# EAGLE board Mk4 Final a Panel score 2x5 (EAGLE 9.0.1), part 11 of 29
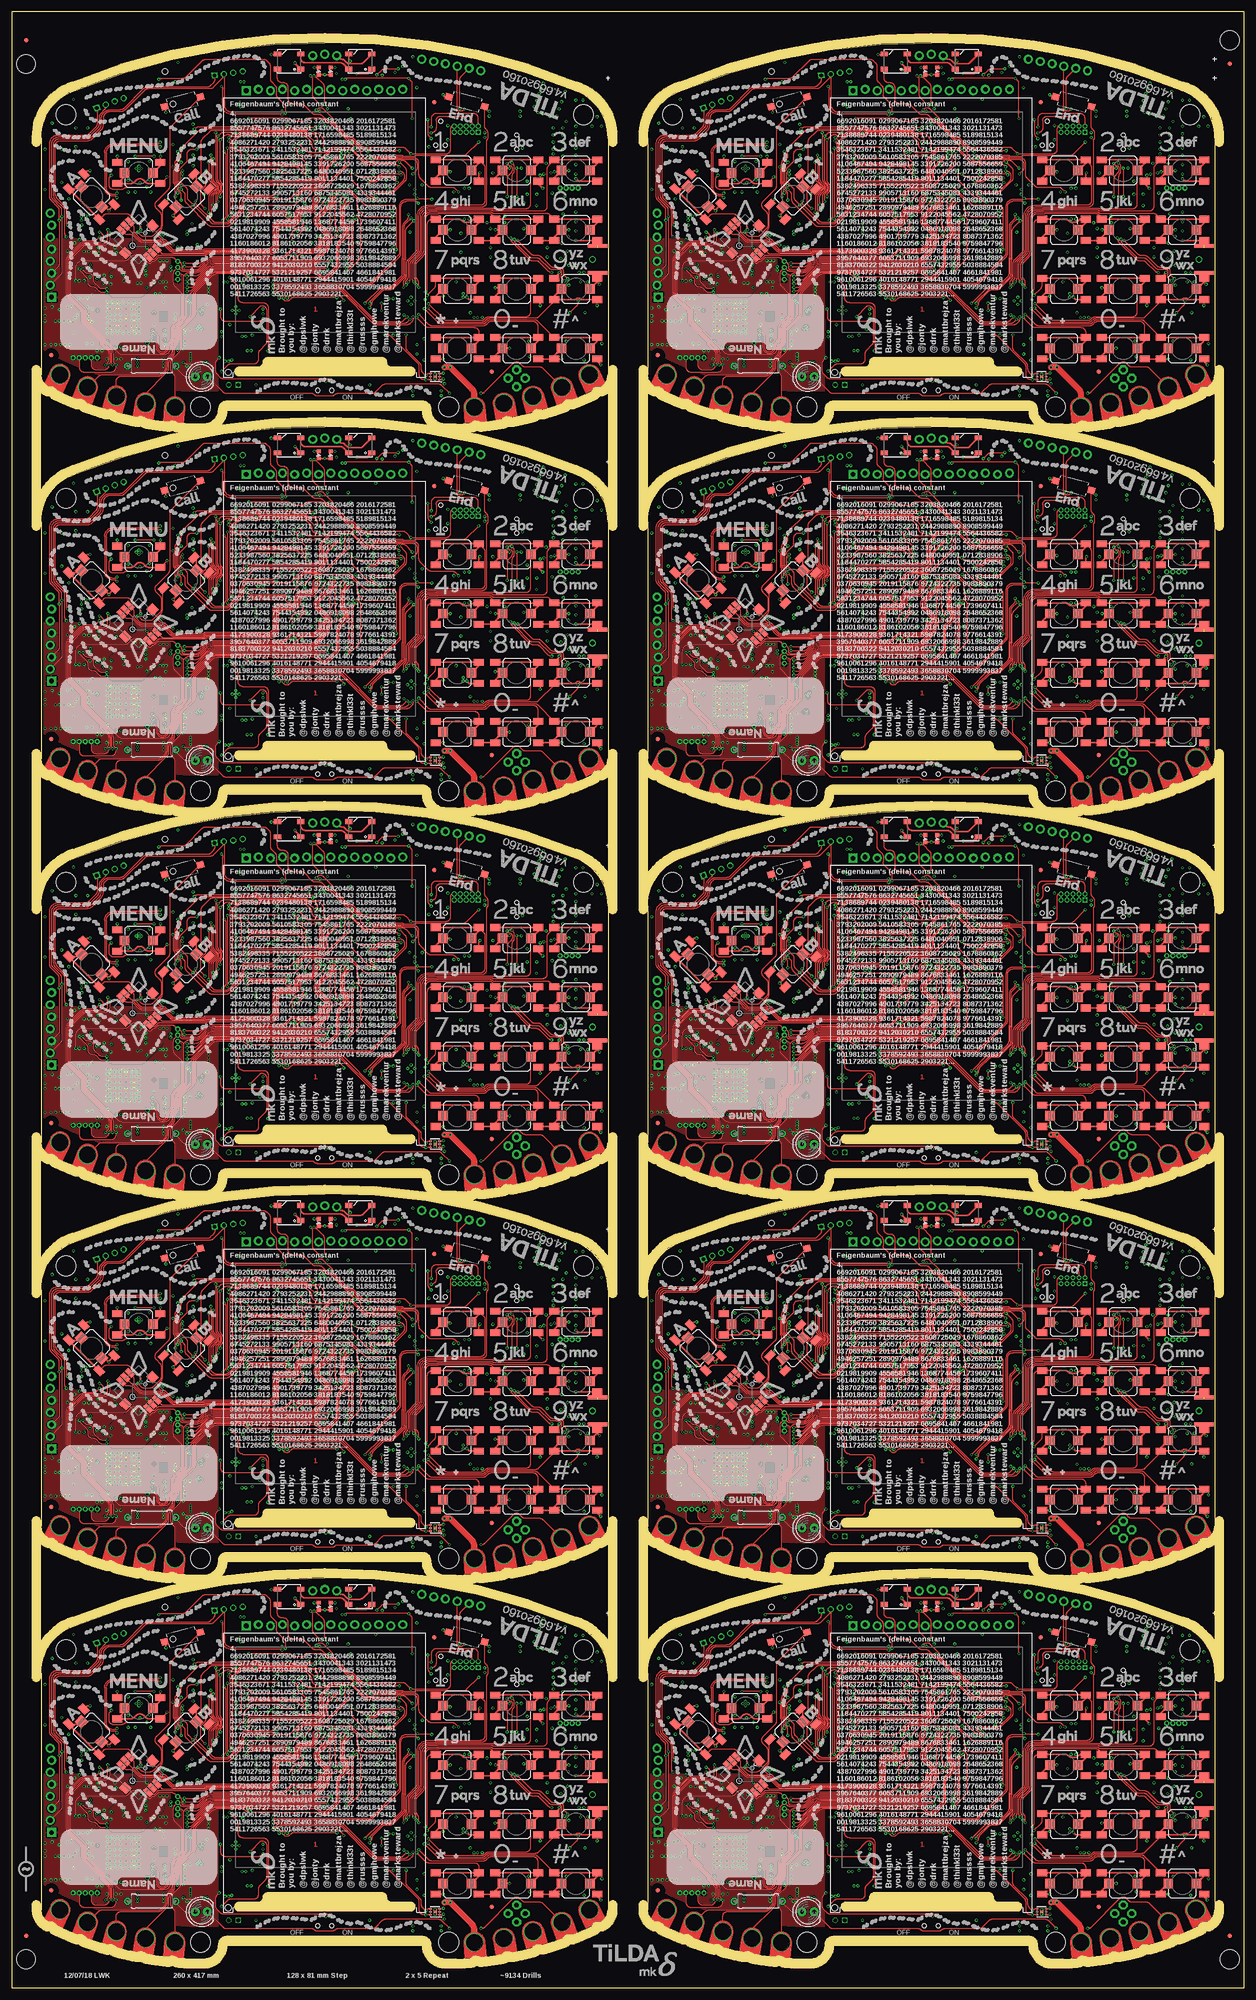
[diagram p0: board, top side]
## Tracks (layer width: path | path; a pad name or v marks a point on that pad's centre or on a via) (continued)
BTN_CALL2  (via drill 0.3) (continued)
  Bottom 0.15: IC49.15 84.5,109.75 v84.65,109.6 | v55.8,114.4 55.38,113.98 arc-90 54.32,113.98 51.72,116.58 arc45 51.01,116.88 50.17,116.88 arc-45 49.11,117.31 45.52,120.91 arc45 44.81,121.2 37.62,121.2 arc-45 37.48,121.26 37.28,121.47 arc45 37.14,121.53 36.7,121.53 arc-45 35.64,121.96 33.89,123.71 arc45 33.19,124 30.92,124 arc-45 30.03,124.37 29.09,125.31 arc45 28.39,125.6 27.85,125.6 arc-90 26.6,126.85 v26.6,127.5
BTN_CALL3  (via drill 0.3)
  Top 0.15: v212.65,109.6 212.65,109.26 arc-45 212.36,108.56 211.99,108.19 arc-45 211.29,107.9 205.22,107.9 arc-45 204.16,108.34 197.59,114.91 arc45 196.89,115.2 185.01,115.2 arc45 184.31,114.91 v183.8,114.4 | S79.2 161.86,150.1 arc45 161.28,148.69 161.28,137.19 arc-45 160.98,136.48 158.46,133.96 arc90 158.46,132.54 159.21,131.79 arc-45 159.5,131.09 159.5,128.91 arc-45 159.21,128.21 157.79,126.79 arc-45 157.08,126.49 156.02,126.49 arc-45 155.31,126.79 v154.6,127.5
  Bottom 0.15: IC67.15 212.5,109.75 v212.65,109.6 | v183.8,114.4 183.38,113.98 arc-90 182.32,113.98 179.72,116.58 arc45 179.01,116.88 178.17,116.88 arc-45 177.11,117.31 173.52,120.91 arc45 172.81,121.2 165.62,121.2 arc-45 165.48,121.26 165.28,121.47 arc45 165.13,121.53 164.7,121.53 arc-45 163.64,121.96 161.89,123.71 arc45 161.19,124 158.92,124 arc-45 158.03,124.37 157.09,125.31 arc45 156.39,125.6 155.85,125.6 arc-90 154.6,126.85 v154.6,127.5
BTN_CALL4  (via drill 0.3)
  Top 0.15: v84.65,190.6 84.65,190.26 arc-45 84.36,189.56 83.99,189.19 arc-45 83.29,188.9 77.22,188.9 arc-45 76.16,189.34 69.59,195.91 arc45 68.89,196.2 57.01,196.2 arc45 56.31,195.91 v55.8,195.4 | S100.2 33.86,231.1 arc45 33.27,229.69 33.27,218.19 arc-45 32.98,217.48 30.46,214.96 arc90 30.46,213.54 31.21,212.79 arc-45 31.5,212.09 31.5,209.91 arc-45 31.21,209.21 29.79,207.79 arc-45 29.08,207.49 28.02,207.49 arc-45 27.31,207.79 v26.6,208.5
  Bottom 0.15: IC85.15 84.5,190.75 v84.65,190.6 | v55.8,195.4 55.38,194.98 arc-90 54.32,194.98 51.72,197.58 arc45 51.01,197.88 50.17,197.88 arc-45 49.11,198.31 45.52,201.91 arc45 44.81,202.2 37.62,202.2 arc-45 37.48,202.26 37.28,202.47 arc45 37.14,202.53 36.7,202.53 arc-45 35.64,202.96 33.89,204.71 arc45 33.19,205 30.92,205 arc-45 30.03,205.37 29.09,206.31 arc45 28.39,206.6 27.85,206.6 arc-90 26.6,207.85 v26.6,208.5
BTN_CALL5  (via drill 0.3)
  Top 0.15: v212.65,190.6 212.65,190.26 arc-45 212.36,189.56 211.99,189.19 arc-45 211.29,188.9 205.22,188.9 arc-45 204.16,189.34 197.59,195.91 arc45 196.89,196.2 185.01,196.2 arc45 184.31,195.91 v183.8,195.4 | S121.2 161.86,231.1 arc45 161.28,229.69 161.28,218.19 arc-45 160.98,217.48 158.46,214.96 arc90 158.46,213.54 159.21,212.79 arc-45 159.5,212.09 159.5,209.91 arc-45 159.21,209.21 157.79,207.79 arc-45 157.08,207.49 156.02,207.49 arc-45 155.31,207.79 v154.6,208.5
  Bottom 0.15: IC103.15 212.5,190.75 v212.65,190.6 | v183.8,195.4 183.38,194.98 arc-90 182.32,194.98 179.72,197.58 arc45 179.01,197.88 178.17,197.88 arc-45 177.11,198.31 173.52,201.91 arc45 172.81,202.2 165.62,202.2 arc-45 165.48,202.26 165.28,202.47 arc45 165.13,202.53 164.7,202.53 arc-45 163.64,202.96 161.89,204.71 arc45 161.19,205 158.92,205 arc-45 158.03,205.37 157.09,206.31 arc45 156.39,206.6 155.85,206.6 arc-90 154.6,207.85 v154.6,208.5
BTN_CALL6  (via drill 0.3)
  Top 0.15: v84.65,271.6 84.65,271.26 arc-45 84.36,270.56 83.99,270.19 arc-45 83.29,269.9 77.22,269.9 arc-45 76.16,270.34 69.59,276.91 arc45 68.89,277.2 57.01,277.2 arc45 56.31,276.91 v55.8,276.4 | S142.2 33.86,312.1 arc45 33.27,310.69 33.27,299.19 arc-45 32.98,298.48 30.46,295.96 arc90 30.46,294.54 31.21,293.79 arc-45 31.5,293.09 31.5,290.91 arc-45 31.21,290.21 29.79,288.79 arc-45 29.08,288.49 28.02,288.49 arc-45 27.31,288.79 v26.6,289.5
  Bottom 0.15: IC121.15 84.5,271.75 v84.65,271.6 | v55.8,276.4 55.38,275.98 arc-90 54.32,275.98 51.72,278.58 arc45 51.01,278.88 50.17,278.88 arc-45 49.11,279.31 45.52,282.91 arc45 44.81,283.2 37.62,283.2 arc-45 37.48,283.26 37.28,283.47 arc45 37.14,283.52 36.7,283.52 arc-45 35.64,283.96 33.89,285.71 arc45 33.19,286 30.92,286 arc-45 30.03,286.37 29.09,287.31 arc45 28.39,287.6 27.85,287.6 arc-90 26.6,288.85 v26.6,289.5
BTN_CALL7  (via drill 0.3)
  Top 0.15: v212.65,271.6 212.65,271.26 arc-45 212.36,270.56 211.99,270.19 arc-45 211.29,269.9 205.22,269.9 arc-45 204.16,270.34 197.59,276.91 arc45 196.89,277.2 185.01,277.2 arc45 184.31,276.91 v183.8,276.4 | S163.2 161.86,312.1 arc45 161.28,310.69 161.28,299.19 arc-45 160.98,298.48 158.46,295.96 arc90 158.46,294.54 159.21,293.79 arc-45 159.5,293.09 159.5,290.91 arc-45 159.21,290.21 157.79,288.79 arc-45 157.08,288.49 156.02,288.49 arc-45 155.31,288.79 v154.6,289.5
  Bottom 0.15: IC139.15 212.5,271.75 v212.65,271.6 | v183.8,276.4 183.38,275.98 arc-90 182.32,275.98 179.72,278.58 arc45 179.01,278.88 178.17,278.88 arc-45 177.11,279.31 173.52,282.91 arc45 172.81,283.2 165.62,283.2 arc-45 165.48,283.26 165.28,283.47 arc45 165.13,283.52 164.7,283.52 arc-45 163.64,283.96 161.89,285.71 arc45 161.19,286 158.92,286 arc-45 158.03,286.37 157.09,287.31 arc45 156.39,287.6 155.85,287.6 arc-90 154.6,288.85 v154.6,289.5
BTN_CALL8  (via drill 0.3)
  Top 0.15: v84.65,352.6 84.65,352.26 arc-45 84.36,351.56 83.99,351.19 arc-45 83.29,350.9 77.22,350.9 arc-45 76.16,351.34 69.59,357.91 arc45 68.89,358.2 57.01,358.2 arc45 56.31,357.91 v55.8,357.4 | S184.2 33.86,393.1 arc45 33.27,391.69 33.27,380.19 arc-45 32.98,379.48 30.46,376.96 arc90 30.46,375.54 31.21,374.79 arc-45 31.5,374.09 31.5,371.91 arc-45 31.21,371.21 29.79,369.79 arc-45 29.08,369.49 28.02,369.49 arc-45 27.31,369.79 v26.6,370.5
  Bottom 0.15: IC157.15 84.5,352.75 v84.65,352.6 | v55.8,357.4 55.38,356.98 arc-90 54.32,356.98 51.72,359.58 arc45 51.01,359.88 50.17,359.88 arc-45 49.11,360.31 45.52,363.91 arc45 44.81,364.2 37.62,364.2 arc-45 37.48,364.26 37.28,364.47 arc45 37.14,364.52 36.7,364.52 arc-45 35.64,364.96 33.89,366.71 arc45 33.19,367 30.92,367 arc-45 30.03,367.37 29.09,368.31 arc45 28.39,368.6 27.85,368.6 arc-90 26.6,369.85 v26.6,370.5
BTN_CALL9  (via drill 0.3)
  Top 0.15: v212.65,352.6 212.65,352.26 arc-45 212.36,351.56 211.99,351.19 arc-45 211.29,350.9 205.22,350.9 arc-45 204.16,351.34 197.59,357.91 arc45 196.89,358.2 185.01,358.2 arc45 184.31,357.91 v183.8,357.4 | S205.2 161.86,393.1 arc45 161.28,391.69 161.28,380.19 arc-45 160.98,379.48 158.46,376.96 arc90 158.46,375.54 159.21,374.79 arc-45 159.5,374.09 159.5,371.91 arc-45 159.21,371.21 157.79,369.79 arc-45 157.08,369.49 156.02,369.49 arc-45 155.31,369.79 v154.6,370.5
  Bottom 0.15: IC175.15 212.5,352.75 v212.65,352.6 | v183.8,357.4 183.38,356.98 arc-90 182.32,356.98 179.72,359.58 arc45 179.01,359.88 178.17,359.88 arc-45 177.11,360.31 173.52,363.91 arc45 172.81,364.2 165.62,364.2 arc-45 165.48,364.26 165.28,364.47 arc45 165.13,364.52 164.7,364.52 arc-45 163.64,364.96 161.89,366.71 arc45 161.19,367 158.92,367 arc-45 158.03,367.37 157.09,368.31 arc45 156.39,368.6 155.85,368.6 arc-90 154.6,369.85 v154.6,370.5
BTN_END  (via drill 0.3)
  Top 0.2: S17.2 99.77,68.9 arc45 100.06,68.19 100.21,68.04 arc-45 100.5,67.34 100.5,66.46 arc-45 100.35,66.1 arc45 100.25,65.85 100.25,52.9 arc-90 99.25,51.9 89.45,51.9 89.38,51.83 87.9,51.83 arc90 85.9,49.83 85.9,43.05 arc-45 85.53,42.16 83.99,40.62 arc45 83.7,39.92 83.7,37.19 arc-45 83.41,36.48 83.3,36.37 arc45 83.15,36.02 83.15,35.77 83.2,35.72 v83.2,35.4
  Bottom 0.15: IC4.2 83.5,34.69 arc45 v83.21,35.39 v83.2,35.4
BTN_END1  (via drill 0.3)
  Top 0.2: S38.2 227.77,68.9 arc45 228.06,68.19 228.21,68.04 arc-45 228.5,67.34 228.5,66.46 arc-45 228.35,66.1 arc45 228.25,65.85 228.25,52.9 arc-90 227.25,51.9 217.46,51.9 217.38,51.83 215.9,51.83 arc90 213.9,49.83 213.9,43.05 arc-45 213.53,42.16 211.99,40.62 arc45 211.7,39.92 211.7,37.19 arc-45 211.41,36.48 211.3,36.37 arc45 211.15,36.02 211.15,35.77 211.2,35.72 v211.2,35.4
  Bottom 0.15: IC31.2 211.5,34.69 arc45 v211.21,35.39 v211.2,35.4
BTN_END2  (via drill 0.3)
  Top 0.2: S59.2 99.77,149.9 arc45 100.06,149.19 100.21,149.04 arc-45 100.5,148.34 100.5,147.46 arc-45 100.35,147.1 arc45 100.25,146.85 100.25,133.9 arc-90 99.25,132.9 89.45,132.9 89.38,132.82 87.9,132.82 arc90 85.9,130.82 85.9,124.05 arc-45 85.53,123.16 83.99,121.62 arc45 83.7,120.92 83.7,118.19 arc-45 83.41,117.48 83.3,117.37 arc45 83.15,117.02 83.15,116.77 83.2,116.72 v83.2,116.4
  Bottom 0.15: IC49.2 83.5,115.69 arc45 v83.21,116.39 v83.2,116.4
BTN_END3  (via drill 0.3)
  Top 0.2: S80.2 227.77,149.9 arc45 228.06,149.19 228.21,149.04 arc-45 228.5,148.34 228.5,147.46 arc-45 228.35,147.1 arc45 228.25,146.85 228.25,133.9 arc-90 227.25,132.9 217.46,132.9 217.38,132.82 215.9,132.82 arc90 213.9,130.82 213.9,124.05 arc-45 213.53,123.16 211.99,121.62 arc45 211.7,120.92 211.7,118.19 arc-45 211.41,117.48 211.3,117.37 arc45 211.15,117.02 211.15,116.77 211.2,116.72 v211.2,116.4
  Bottom 0.15: IC67.2 211.5,115.69 arc45 v211.21,116.39 v211.2,116.4
BTN_END4  (via drill 0.3)
  Top 0.2: S101.2 99.77,230.9 arc45 100.06,230.19 100.21,230.04 arc-45 100.5,229.34 100.5,228.46 arc-45 100.35,228.1 arc45 100.25,227.85 100.25,214.9 arc-90 99.25,213.9 89.45,213.9 89.38,213.82 87.9,213.82 arc90 85.9,211.82 85.9,205.05 arc-45 85.53,204.16 83.99,202.62 arc45 83.7,201.92 83.7,199.19 arc-45 83.41,198.49 83.3,198.37 arc45 83.15,198.02 83.15,197.77 83.2,197.72 v83.2,197.4
  Bottom 0.15: IC85.2 83.5,196.69 arc45 v83.21,197.39 v83.2,197.4
BTN_END5  (via drill 0.3)
  Top 0.2: S122.2 227.77,230.9 arc45 228.06,230.19 228.21,230.04 arc-45 228.5,229.34 228.5,228.46 arc-45 228.35,228.1 arc45 228.25,227.85 228.25,214.9 arc-90 227.25,213.9 217.46,213.9 217.38,213.82 215.9,213.82 arc90 213.9,211.82 213.9,205.05 arc-45 213.53,204.16 211.99,202.62 arc45 211.7,201.92 211.7,199.19 arc-45 211.41,198.49 211.3,198.37 arc45 211.15,198.02 211.15,197.77 211.2,197.72 v211.2,197.4
  Bottom 0.15: IC103.2 211.5,196.69 arc45 v211.21,197.39 v211.2,197.4
BTN_END6  (via drill 0.3)
  Top 0.2: S143.2 99.77,311.9 arc45 100.06,311.19 100.21,311.04 arc-45 100.5,310.34 100.5,309.46 arc-45 100.35,309.1 arc45 100.25,308.85 100.25,295.9 arc-90 99.25,294.9 89.45,294.9 89.38,294.82 87.9,294.82 arc90 85.9,292.82 85.9,286.05 arc-45 85.53,285.16 83.99,283.62 arc45 83.7,282.92 83.7,280.19 arc-45 83.41,279.49 83.3,279.37 arc45 83.15,279.02 83.15,278.77 83.2,278.72 v83.2,278.4
  Bottom 0.15: IC121.2 83.5,277.69 arc45 v83.21,278.39 v83.2,278.4
BTN_END7  (via drill 0.3)
  Top 0.2: S164.2 227.77,311.9 arc45 228.06,311.19 228.21,311.04 arc-45 228.5,310.34 228.5,309.46 arc-45 228.35,309.1 arc45 228.25,308.85 228.25,295.9 arc-90 227.25,294.9 217.46,294.9 217.38,294.82 215.9,294.82 arc90 213.9,292.82 213.9,286.05 arc-45 213.53,285.16 211.99,283.62 arc45 211.7,282.92 211.7,280.19 arc-45 211.41,279.49 211.3,279.37 arc45 211.15,279.02 211.15,278.77 211.2,278.72 v211.2,278.4
  Bottom 0.15: IC139.2 211.5,277.69 arc45 v211.21,278.39 v211.2,278.4
BTN_END8  (via drill 0.3)
  Top 0.2: S185.2 99.77,392.9 arc45 100.06,392.19 100.21,392.04 arc-45 100.5,391.34 100.5,390.46 arc-45 100.35,390.1 arc45 100.25,389.85 100.25,376.9 arc-90 99.25,375.9 89.45,375.9 89.38,375.82 87.9,375.82 arc90 85.9,373.82 85.9,367.05 arc-45 85.53,366.16 83.99,364.62 arc45 83.7,363.92 83.7,361.19 arc-45 83.41,360.49 83.3,360.37 arc45 83.15,360.02 83.15,359.77 83.2,359.72 v83.2,359.4
  Bottom 0.15: IC157.2 83.5,358.69 arc45 v83.21,359.39 v83.2,359.4
BTN_END9  (via drill 0.3)
  Top 0.2: S206.2 227.77,392.9 arc45 228.06,392.19 228.21,392.04 arc-45 228.5,391.34 228.5,390.46 arc-45 228.35,390.1 arc45 228.25,389.85 228.25,376.9 arc-90 227.25,375.9 217.46,375.9 217.38,375.82 215.9,375.82 arc90 213.9,373.82 213.9,367.05 arc-45 213.53,366.16 211.99,364.62 arc45 211.7,363.92 211.7,361.19 arc-45 211.41,360.49 211.3,360.37 arc45 211.15,360.02 211.15,359.77 211.2,359.72 v211.2,359.4
  Bottom 0.15: IC175.2 211.5,358.69 arc45 v211.21,359.39 v211.2,359.4
BTN_MENU  (via drill 0.3)
  Top 0.15: S14.B1 v32.75,58.15 | v50,70.5 58.23,70.5 arc-45 58.94,70.21 59.08,70.07 arc45 59.78,69.78 61.02,69.78 arc45 61.72,70.07 61.86,70.21 arc-45 62.57,70.5 65.23,70.5 arc-45 65.93,70.21 66.37,69.77 arc45 67.08,69.47 arc-45 67.33,69.37 71.02,65.68 arc-45 71.08,65.54 71.08,65.47 arc90 71.58,64.97 71.64,64.97 arc-45 71.78,64.92 v72.45,64.25
  Top 0.3: S14.2 23.8,58.3 S14.B2 25.09,56.75 arc45 25.79,57.04 26.21,57.46 arc-45 26.91,57.75 27.09,57.75 arc-45 27.79,57.46 28.21,57.04 arc45 28.91,56.75 S14.B1
  Bottom 0.15: v50,70.5 34.75,70.5 arc90 32.75,68.5 v32.75,58.15 | IC1.102 72.95,63.2 arc-90 72.45,63.7 v72.45,64.25
BTN_MENU1  (via drill 0.3)
  Top 0.15: S36.B1 v160.75,58.15 | v178,70.5 186.23,70.5 arc-45 186.94,70.21 187.08,70.07 arc45 187.78,69.78 189.02,69.78 arc45 189.72,70.07 189.86,70.21 arc-45 190.57,70.5 193.23,70.5 arc-45 193.93,70.21 194.37,69.77 arc45 195.08,69.47 arc-45 195.33,69.37 199.02,65.68 arc-45 199.07,65.54 199.07,65.47 arc90 199.57,64.97 199.64,64.97 arc-45 199.78,64.92 v200.45,64.25
  Top 0.3: S36.2 151.8,58.3 S36.B2 153.09,56.75 arc45 153.79,57.04 154.21,57.46 arc-45 154.91,57.75 155.09,57.75 arc-45 155.79,57.46 156.21,57.04 arc45 156.91,56.75 S36.B1
  Bottom 0.15: v178,70.5 162.75,70.5 arc90 160.75,68.5 v160.75,58.15 | IC20.102 200.95,63.2 arc-90 200.45,63.7 v200.45,64.25
BTN_MENU2  (via drill 0.3)
  Top 0.15: S57.B1 v32.75,139.15 | v50,151.5 58.23,151.5 arc-45 58.94,151.21 59.08,151.07 arc45 59.78,150.78 61.02,150.78 arc45 61.72,151.07 61.86,151.21 arc-45 62.57,151.5 65.23,151.5 arc-45 65.93,151.21 66.37,150.77 arc45 67.08,150.47 arc-45 67.33,150.37 71.02,146.68 arc-45 71.08,146.54 71.08,146.47 arc90 71.58,145.97 71.64,145.97 arc-45 71.78,145.92 v72.45,145.25
  Top 0.3: S57.2 23.8,139.3 S57.B2 25.09,137.75 arc45 25.79,138.04 26.21,138.46 arc-45 26.91,138.75 27.09,138.75 arc-45 27.79,138.46 28.21,138.04 arc45 28.91,137.75 S57.B1
  Bottom 0.15: v50,151.5 34.75,151.5 arc90 32.75,149.5 v32.75,139.15 | IC38.102 72.95,144.2 arc-90 72.45,144.7 v72.45,145.25
BTN_MENU3  (via drill 0.3)
  Top 0.15: S78.B1 v160.75,139.15 | v178,151.5 186.23,151.5 arc-45 186.94,151.21 187.08,151.07 arc45 187.78,150.78 189.02,150.78 arc45 189.72,151.07 189.86,151.21 arc-45 190.57,151.5 193.23,151.5 arc-45 193.93,151.21 194.37,150.77 arc45 195.08,150.47 arc-45 195.33,150.37 199.02,146.68 arc-45 199.07,146.54 199.07,146.47 arc90 199.57,145.97 199.64,145.97 arc-45 199.78,145.92 v200.45,145.25
  Top 0.3: S78.2 151.8,139.3 S78.B2 153.09,137.75 arc45 153.79,138.04 154.21,138.46 arc-45 154.91,138.75 155.09,138.75 arc-45 155.79,138.46 156.21,138.04 arc45 156.91,137.75 S78.B1
  Bottom 0.15: v178,151.5 162.75,151.5 arc90 160.75,149.5 v160.75,139.15 | IC56.102 200.95,144.2 arc-90 200.45,144.7 v200.45,145.25
BTN_MENU4  (via drill 0.3)
  Top 0.15: S99.B1 v32.75,220.15 | v50,232.5 58.23,232.5 arc-45 58.94,232.21 59.08,232.07 arc45 59.78,231.78 61.02,231.78 arc45 61.72,232.07 61.86,232.21 arc-45 62.57,232.5 65.23,232.5 arc-45 65.93,232.21 66.37,231.77 arc45 67.08,231.47 arc-45 67.33,231.37 71.02,227.68 arc-45 71.08,227.54 71.08,227.47 arc90 71.58,226.97 71.64,226.97 arc-45 71.78,226.92 v72.45,226.25
  Top 0.3: S99.2 23.8,220.3 S99.B2 25.09,218.75 arc45 25.79,219.04 26.21,219.46 arc-45 26.91,219.75 27.09,219.75 arc-45 27.79,219.46 28.21,219.04 arc45 28.91,218.75 S99.B1
  Bottom 0.15: v50,232.5 34.75,232.5 arc90 32.75,230.5 v32.75,220.15 | IC74.102 72.95,225.2 arc-90 72.45,225.7 v72.45,226.25
BTN_MENU5  (via drill 0.3)
  Top 0.15: S120.B1 v160.75,220.15 | v178,232.5 186.23,232.5 arc-45 186.94,232.21 187.08,232.07 arc45 187.78,231.78 189.02,231.78 arc45 189.72,232.07 189.86,232.21 arc-45 190.57,232.5 193.23,232.5 arc-45 193.93,232.21 194.37,231.77 arc45 195.08,231.47 arc-45 195.33,231.37 199.02,227.68 arc-45 199.07,227.54 199.07,227.47 arc90 199.57,226.97 199.64,226.97 arc-45 199.78,226.92 v200.45,226.25
  Top 0.3: S120.2 151.8,220.3 S120.B2 153.09,218.75 arc45 153.79,219.04 154.21,219.46 arc-45 154.91,219.75 155.09,219.75 arc-45 155.79,219.46 156.21,219.04 arc45 156.91,218.75 S120.B1
  Bottom 0.15: v178,232.5 162.75,232.5 arc90 160.75,230.5 v160.75,220.15 | IC92.102 200.95,225.2 arc-90 200.45,225.7 v200.45,226.25
BTN_MENU6  (via drill 0.3)
  Top 0.15: S141.B1 v32.75,301.15 | v50,313.5 58.23,313.5 arc-45 58.94,313.21 59.08,313.07 arc45 59.78,312.77 61.02,312.77 arc45 61.72,313.07 61.86,313.21 arc-45 62.57,313.5 65.23,313.5 arc-45 65.93,313.21 66.37,312.77 arc45 67.08,312.48 arc-45 67.33,312.37 71.02,308.68 arc-45 71.08,308.54 71.08,308.48 arc90 71.58,307.98 71.64,307.98 arc-45 71.78,307.92 v72.45,307.25
  Top 0.3: S141.2 23.8,301.3 S141.B2 25.09,299.75 arc45 25.79,300.04 26.21,300.46 arc-45 26.91,300.75 27.09,300.75 arc-45 27.79,300.46 28.21,300.04 arc45 28.91,299.75 S141.B1
  Bottom 0.15: v50,313.5 34.75,313.5 arc90 32.75,311.5 v32.75,301.15 | IC110.102 72.95,306.2 arc-90 72.45,306.7 v72.45,307.25
BTN_MENU7  (via drill 0.3)
  Top 0.15: S162.B1 v160.75,301.15 | v178,313.5 186.23,313.5 arc-45 186.94,313.21 187.08,313.07 arc45 187.78,312.77 189.02,312.77 arc45 189.72,313.07 189.86,313.21 arc-45 190.57,313.5 193.23,313.5 arc-45 193.93,313.21 194.37,312.77 arc45 195.08,312.48 arc-45 195.33,312.37 199.02,308.68 arc-45 199.07,308.54 199.07,308.48 arc90 199.57,307.98 199.64,307.98 arc-45 199.78,307.92 v200.45,307.25
  Top 0.3: S162.2 151.8,301.3 S162.B2 153.09,299.75 arc45 153.79,300.04 154.21,300.46 arc-45 154.91,300.75 155.09,300.75 arc-45 155.79,300.46 156.21,300.04 arc45 156.91,299.75 S162.B1
  Bottom 0.15: v178,313.5 162.75,313.5 arc90 160.75,311.5 v160.75,301.15 | IC128.102 200.95,306.2 arc-90 200.45,306.7 v200.45,307.25
BTN_MENU8  (via drill 0.3)
  Top 0.15: S183.B1 v32.75,382.15 | v50,394.5 58.23,394.5 arc-45 58.94,394.21 59.08,394.07 arc45 59.78,393.77 61.02,393.77 arc45 61.72,394.07 61.86,394.21 arc-45 62.57,394.5 65.23,394.5 arc-45 65.93,394.21 66.37,393.77 arc45 67.08,393.48 arc-45 67.33,393.37 71.02,389.68 arc-45 71.08,389.54 71.08,389.48 arc90 71.58,388.98 71.64,388.98 arc-45 71.78,388.92 v72.45,388.25
  Top 0.3: S183.2 23.8,382.3 S183.B2 25.09,380.75 arc45 25.79,381.04 26.21,381.46 arc-45 26.91,381.75 27.09,381.75 arc-45 27.79,381.46 28.21,381.04 arc45 28.91,380.75 S183.B1
  Bottom 0.15: v50,394.5 34.75,394.5 arc90 32.75,392.5 v32.75,382.15 | IC146.102 72.95,387.2 arc-90 72.45,387.7 v72.45,388.25
BTN_MENU9  (via drill 0.3)
  Top 0.15: S204.B1 v160.75,382.15 | v178,394.5 186.23,394.5 arc-45 186.94,394.21 187.08,394.07 arc45 187.78,393.77 189.02,393.77 arc45 189.72,394.07 189.86,394.21 arc-45 190.57,394.5 193.23,394.5 arc-45 193.93,394.21 194.37,393.77 arc45 195.08,393.48 arc-45 195.33,393.37 199.02,389.68 arc-45 199.07,389.54 199.07,389.48 arc90 199.57,388.98 199.64,388.98 arc-45 199.78,388.92 v200.45,388.25
  Top 0.3: S204.2 151.8,382.3 S204.B2 153.09,380.75 arc45 153.79,381.04 154.21,381.46 arc-45 154.91,381.75 155.09,381.75 arc-45 155.79,381.46 156.21,381.04 arc45 156.91,380.75 S204.B1
  Bottom 0.15: v178,394.5 162.75,394.5 arc90 160.75,392.5 v160.75,382.15 | IC164.102 200.95,387.2 arc-90 200.45,387.7 v200.45,388.25
BTST
  Bottom 0.15: IC8.21 44.54,29.75 44.04,29.25 C37.1
BTST1
  Bottom 0.15: IC24.21 172.54,29.75 172.04,29.25 C150.1
BTST2
  Bottom 0.15: IC42.21 44.54,110.75 44.04,110.25 C258.1
BTST3
  Bottom 0.15: IC60.21 172.54,110.75 172.04,110.25 C366.1
BTST4
  Bottom 0.15: IC78.21 44.54,191.75 44.04,191.25 C474.1
BTST5
  Bottom 0.15: IC96.21 172.54,191.75 172.04,191.25 C582.1
BTST6
  Bottom 0.15: IC114.21 44.54,272.75 44.04,272.25 C690.1
BTST7
  Bottom 0.15: IC132.21 172.54,272.75 172.04,272.25 C798.1
BTST8
  Bottom 0.15: IC150.21 44.54,353.75 44.04,353.25 C906.1
BTST9
  Bottom 0.15: IC168.21 172.54,353.75 172.04,353.25 C1014.1
CC_!HIB  (via drill 0.3)
  Top 0.15: v37,37.2 38.48,37.2 arc45 39.72,37.71 41.07,39.07 arc-45 42.84,39.8 63.05,39.8 arc45 64.29,40.31 66.71,42.73 arc45 67,43.44 67,43.89 arc-45 67.15,44.25 67.35,44.45 arc45 67.5,44.81 67.5,45.1 arc-90 68,45.6 68.89,45.6 arc45 69.59,45.89 69.73,46.03 arc45 70.03,46.74 70.03,46.97 70,46.99 arc45 69.82,47.44 69.59,47.66 arc-45 69.3,48.37 69.3,52.46 arc-45 69.22,52.64 69.22,52.86 arc-45 69.3,53.04 69.3,53.29 arc-45 69.45,53.65 v70.1,54.3
  Bottom 0.15: IC15.2 26.75,23.7 arc45 26.89,23.36 27.88,22.38 arc45 28.18,22.25 29.79,22.25 arc45 30.15,22.4 R25.1 30.88,22.37 arc45 31.23,22.23 32.3,22.23 arc90 32.8,22.73 32.8,24.5 arc-45 33.39,25.91 34.81,27.33 arc45 35.1,28.04 35.1,34.89 arc-45 35.39,35.59 v37,37.2 | IC1.124 71.22,54.4 arc-45 71.08,54.46 71.08,54.47 arc45 70.94,54.52 70.53,54.52 arc45 70.18,54.38 v70.1,54.3
CC_!HIB1  (via drill 0.3)
  Top 0.15: v165,37.2 166.48,37.2 arc45 167.72,37.71 169.07,39.07 arc-45 170.84,39.8 191.05,39.8 arc45 192.29,40.31 194.71,42.73 arc45 195,43.44 195,43.89 arc-45 195.15,44.25 195.35,44.45 arc45 195.5,44.81 195.5,45.1 arc-90 196,45.6 196.89,45.6 arc45 197.59,45.89 197.73,46.03 arc45 198.03,46.74 198.03,46.97 198,46.99 arc45 197.82,47.44 197.59,47.66 arc-45 197.3,48.37 197.3,52.46 arc-45 197.22,52.64 197.22,52.86 arc-45 197.3,53.04 197.3,53.29 arc-45 197.45,53.65 v198.1,54.3
  Bottom 0.15: IC29.2 154.75,23.7 arc45 154.89,23.36 155.88,22.38 arc45 156.18,22.25 157.79,22.25 arc45 158.15,22.4 R107.1 158.88,22.37 arc45 159.23,22.23 160.3,22.23 arc90 160.8,22.73 160.8,24.5 arc-45 161.39,25.91 162.81,27.33 arc45 163.1,28.04 163.1,34.89 arc-45 163.39,35.59 v165,37.2 | IC20.124 199.22,54.4 arc-45 199.08,54.46 199.08,54.47 arc45 198.94,54.52 198.53,54.52 arc45 198.18,54.38 v198.1,54.3
CC_!HIB2  (via drill 0.3)
  Top 0.15: v37,118.2 38.48,118.2 arc45 39.72,118.71 41.07,120.07 arc-45 42.84,120.8 63.05,120.8 arc45 64.29,121.31 66.71,123.73 arc45 67,124.44 67,124.89 arc-45 67.15,125.25 67.35,125.45 arc45 67.5,125.81 67.5,126.1 arc-90 68,126.6 68.89,126.6 arc45 69.59,126.89 69.73,127.03 arc45 70.03,127.74 70.03,127.97 70,127.99 arc45 69.82,128.44 69.59,128.66 arc-45 69.3,129.37 69.3,133.46 arc-45 69.22,133.64 69.22,133.86 arc-45 69.3,134.04 69.3,134.29 arc-45 69.45,134.65 v70.1,135.3
  Bottom 0.15: IC47.2 26.75,104.7 arc45 26.89,104.36 27.88,103.38 arc45 28.18,103.25 29.79,103.25 arc45 30.15,103.4 R185.1 30.88,103.37 arc45 31.23,103.22 32.3,103.22 arc90 32.8,103.72 32.8,105.5 arc-45 33.39,106.91 34.81,108.33 arc45 35.1,109.04 35.1,115.89 arc-45 35.39,116.59 v37,118.2 | IC38.124 71.22,135.4 arc-45 71.08,135.46 71.08,135.47 arc45 70.94,135.53 70.53,135.53 arc45 70.18,135.38 v70.1,135.3
CC_!HIB3  (via drill 0.3)
  Top 0.15: v165,118.2 166.48,118.2 arc45 167.72,118.71 169.07,120.07 arc-45 170.84,120.8 191.05,120.8 arc45 192.29,121.31 194.71,123.73 arc45 195,124.44 195,124.89 arc-45 195.15,125.25 195.35,125.45 arc45 195.5,125.81 195.5,126.1 arc-90 196,126.6 196.89,126.6 arc45 197.59,126.89 197.73,127.03 arc45 198.03,127.74 198.03,127.97 198,127.99 arc45 197.82,128.44 197.59,128.66 arc-45 197.3,129.37 197.3,133.46 arc-45 197.22,133.64 197.22,133.86 arc-45 197.3,134.04 197.3,134.29 arc-45 197.45,134.65 v198.1,135.3
  Bottom 0.15: IC65.2 154.75,104.7 arc45 154.89,104.36 155.88,103.38 arc45 156.18,103.25 157.79,103.25 arc45 158.15,103.4 R263.1 158.88,103.37 arc45 159.23,103.22 160.3,103.22 arc90 160.8,103.72 160.8,105.5 arc-45 161.39,106.91 162.81,108.33 arc45 163.1,109.04 163.1,115.89 arc-45 163.39,116.59 v165,118.2 | IC56.124 199.22,135.4 arc-45 199.08,135.46 199.08,135.47 arc45 198.94,135.53 198.53,135.53 arc45 198.18,135.38 v198.1,135.3
CC_!HIB4  (via drill 0.3)
  Top 0.15: v37,199.2 38.48,199.2 arc45 39.72,199.71 41.07,201.07 arc-45 42.84,201.8 63.05,201.8 arc45 64.29,202.31 66.71,204.73 arc45 67,205.44 67,205.89 arc-45 67.15,206.25 67.35,206.45 arc45 67.5,206.81 67.5,207.1 arc-90 68,207.6 68.89,207.6 arc45 69.59,207.89 69.73,208.03 arc45 70.03,208.74 70.03,208.97 70,208.99 arc45 69.82,209.44 69.59,209.66 arc-45 69.3,210.37 69.3,214.46 arc-45 69.22,214.64 69.22,214.86 arc-45 69.3,215.04 69.3,215.29 arc-45 69.45,215.65 v70.1,216.3
  Bottom 0.15: IC83.2 26.75,185.7 arc45 26.89,185.36 27.88,184.38 arc45 28.18,184.25 29.79,184.25 arc45 30.15,184.4 R341.1 30.88,184.37 arc45 31.23,184.22 32.3,184.22 arc90 32.8,184.72 32.8,186.5 arc-45 33.39,187.91 34.81,189.33 arc45 35.1,190.04 35.1,196.89 arc-45 35.39,197.59 v37,199.2 | IC74.124 71.22,216.4 arc-45 71.08,216.46 71.08,216.47 arc45 70.94,216.53 70.53,216.53 arc45 70.18,216.38 v70.1,216.3
CC_!HIB5  (via drill 0.3)
  Top 0.15: v165,199.2 166.48,199.2 arc45 167.72,199.71 169.07,201.07 arc-45 170.84,201.8 191.05,201.8 arc45 192.29,202.31 194.71,204.73 arc45 195,205.44 195,205.89 arc-45 195.15,206.25 195.35,206.45 arc45 195.5,206.81 195.5,207.1 arc-90 196,207.6 196.89,207.6 arc45 197.59,207.89 197.73,208.03 arc45 198.03,208.74 198.03,208.97 198,208.99 arc45 197.82,209.44 197.59,209.66 arc-45 197.3,210.37 197.3,214.46 arc-45 197.22,214.64 197.22,214.86 arc-45 197.3,215.04 197.3,215.29 arc-45 197.45,215.65 v198.1,216.3
  Bottom 0.15: IC101.2 154.75,185.7 arc45 154.89,185.36 155.88,184.38 arc45 156.18,184.25 157.79,184.25 arc45 158.15,184.4 R419.1 158.88,184.37 arc45 159.23,184.22 160.3,184.22 arc90 160.8,184.72 160.8,186.5 arc-45 161.39,187.91 162.81,189.33 arc45 163.1,190.04 163.1,196.89 arc-45 163.39,197.59 v165,199.2 | IC92.124 199.22,216.4 arc-45 199.08,216.46 199.08,216.47 arc45 198.94,216.53 198.53,216.53 arc45 198.18,216.38 v198.1,216.3